# KiCad board n64adv2.kicad_pcb (continued)
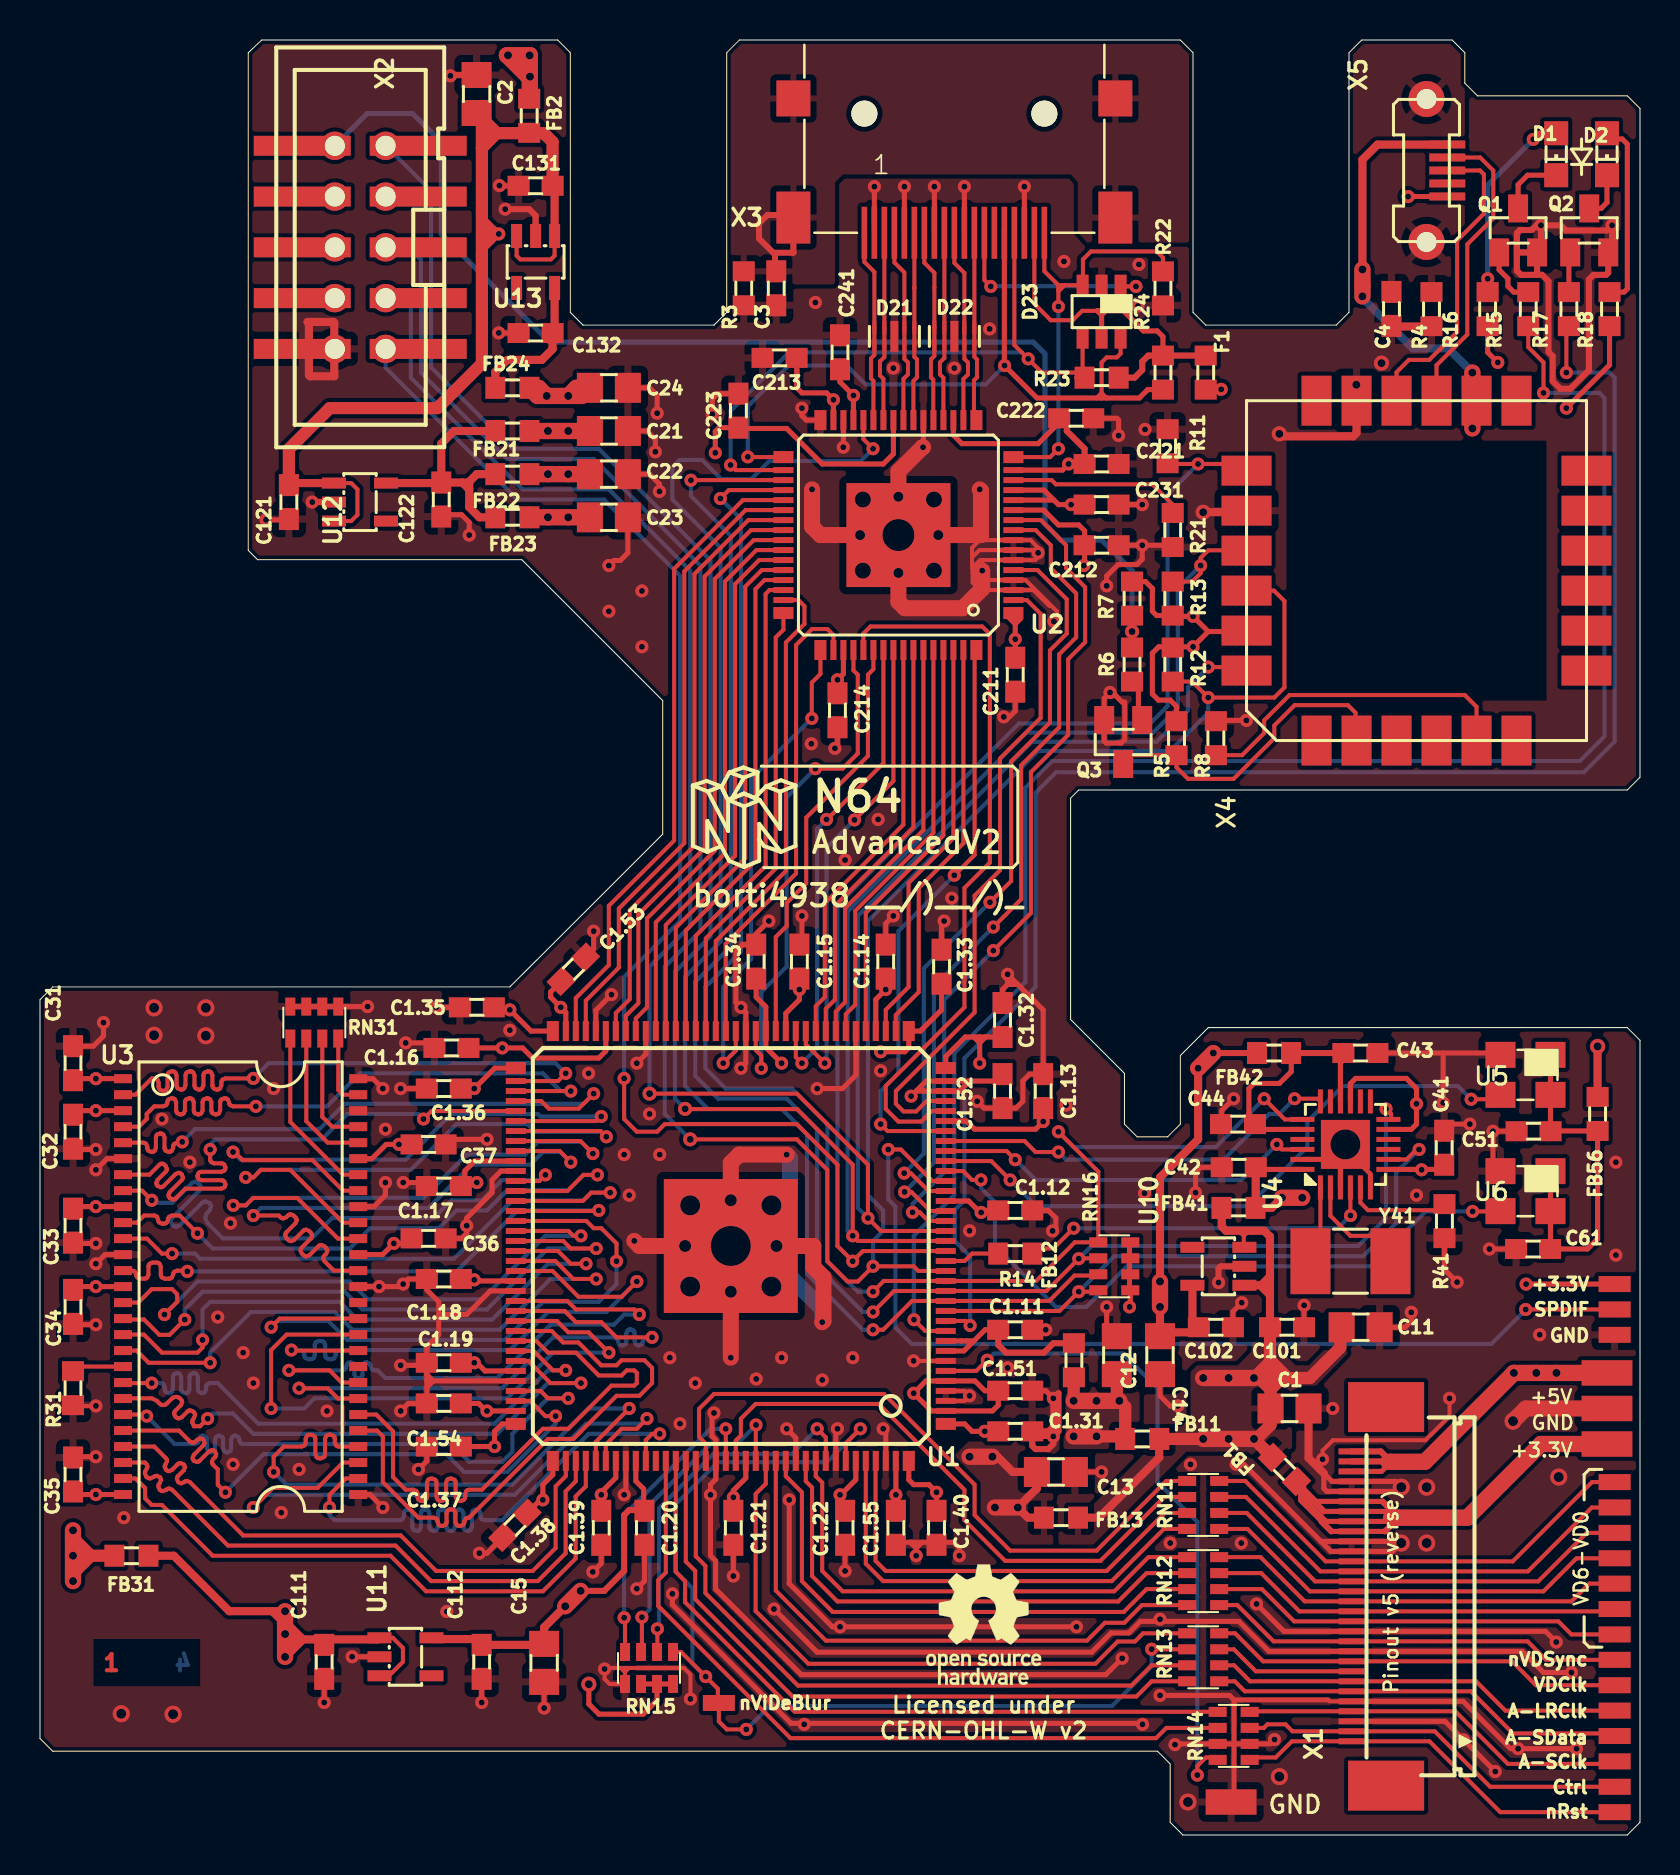
[diagram p0: board, top side]
## Routing (per net, layer and track width the routed paths; a pad name or vN(x,y) marks a point on that pad's centre or on a via; arc(x,y) is an arc through that point) (continued)
VCCIO_U4: length 12.9
  Top w0.254: 65.19,39.12 65.03,38.95 U4.P16 ; U4.P20 61.06,35.29 60.79,35.56 60.79,35.73 60.45,36.07 60.45,37.34 60.71,37.59 61.98,37.59 62.57,38.19 62.57,39.12
  Top w0.305: 62.57,39.12 65.19,39.12
VDD_U3: length 89.4
  Top w0.254: C33.1 1.61,31.37 1.61,31.43 v2(2.79,31.43) U3.9 ; U3.43 17.13,29.03 v2(17.69,29.59) 18.33,29.59 C36.1 ; C37.1 v2(17.95,34.54) 17.31,34.54 16.6,33.83 U3.49 ; U3.1 v2(2.79,37.83) 1.73,37.83 C31.1 ; U3.3 v2(2.79,36.23) 1.85,36.23 C32.1 ; C34.1 1.82,27.43 v2(2.79,27.43) U3.14 ; C35.1 1.78,17.03 v2(2.79,17.03) U3.27
  Top w0.61: 2.54,13.97 1.65,13.08 ; 2.54,13.97 1.65,14.86 ; 2.54,13.97 FB31.2 ; 2.54,13.97 v1(1.65,13.97)
  Top w0.813: v1(1.65,15.24) v1(1.65,13.97) v1(1.65,12.7)
  In2.Cu w0.305: 1.65,31.5 1.72,31.43 1.97,31.43 ; 2.03,37.85 2.78,37.85 v2(2.79,37.83) ; 2.03,37.85 1.65,37.47 ; 2.03,37.85 1.65,37.85 ; 2.03,37.85 1.65,38.23 ; 2.02,17.03 1.67,17.03 1.65,17.02 ; 2.02,17.03 2.05,17.03 ; 2.02,17.03 1.65,17.4 ; 1.97,31.43 1.97,31.31 1.65,30.99 ; 1.97,31.43 1.65,31.75 ; 1.97,31.43 v2(2.79,31.43) ; 2.03,27.43 v2(2.79,27.43) ; 2.03,27.43 1.65,27.05 ; 2.03,27.43 1.65,27.43 ; 2.03,27.43 1.65,27.81 ; 2.03,36.23 2.12,36.23 ; 2.03,36.23 1.74,36.23 1.65,36.32 ; 2.03,36.23 1.65,35.85 1.65,35.81 ; 2.12,36.23 1.65,36.7 ; 2.12,36.23 v2(2.79,36.23) ; 2.05,17.03 1.65,16.64 ; 2.05,17.03 v2(2.79,17.03) ; 16.89,34.54 16.42,34.54 ; 16.89,34.54 16.51,34.92 16.42,34.92 ; 16.89,34.54 v2(17.95,34.54) ; 16.89,34.54 16.42,34.08 16.42,30.86 v2(17.69,29.59)
  In2.Cu w0.406: 16.42,33.91 16.42,36.66 14.22,38.86 2.29,38.86 1.65,38.23 v1(1.65,15.24)
  In2.Cu w0.813: v1(1.65,15.24) v1(1.65,13.97) v1(1.65,12.7)
VDD_U4: length 30.7
  Top w0.203: 70.23,33.66 70.21,33.67
  Top w0.254: 70.23,33.69 69.83,33.29 69.11,33.29 v2(69.09,33.27) 69.07,33.29 U4.P7 ; U4.P11 68.57,35.29 68.83,35.56 v2(68.83,36.58) 68.83,37.34 68.33,37.85 65.79,37.85 65.53,37.59 U4.P15 ; U4.P24 60.9,33.29 60.79,33.4
  Top w0.406: v1(62.1,31.88) 61.6,31.37 60.79,31.37 60.79,33.4
  Top w0.813: v1(63.12,31.88) v1(62.1,31.88)
  In2.Cu w0.254: 68.07,33.27 68.58,33.27
  In2.Cu w0.305: v2(69.09,33.27) 68.58,33.27 ; 68.58,33.27 68.07,33.78 ; 68.58,33.27 68.07,32.77
  In2.Cu w0.406: v2(68.83,36.58) 68.07,35.81 68.07,32.77 67.18,31.88 v1(63.12,31.88)
  In2.Cu w0.813: v1(62.1,31.88) v1(63.12,31.88)
/n64adv2_logic/TCK: length 125.8
  Top w0.203: v2(29.21,37.85) 29.21,35.81 29.85,35.18 30.86,35.18 31.24,35.56 37.85,35.56 39.88,33.53 39.88,29.46 v2(40.64,28.7) 41.15,29.21 45.29,29.21 U1.18 ; X4.19 60,68.58 v2(57.91,68.58) 56.43,68.58 R11.1
  Bottom w0.203: X2.1 17.28,73.4 23.88,66.8 28.19,66.8 32,62.99 32,45.72 29.21,42.93 v2(29.21,37.85) ; v2(40.64,28.7) 39.88,29.46 39.88,46.52 48.96,55.6 55.51,55.6 56.39,56.48 56.39,67.06 v2(57.91,68.58)
/n64adv2_logic/TDI: length 125.7
  Top w0.203: U1.19 40.9,29.71 v2(40.64,29.97) 40.64,33.53 37.86,36.31 32.27,36.31 v10(32.26,36.32) ; X4.21 60.32,64.26 58.42,64.26 58.04,63.88 v2(58.04,63.5) 58.04,63.12 57.62,62.7 R13.1
  Bottom w0.203: v2(40.64,29.97) 40.39,30.23 40.39,46.19 49.34,55.14 55.66,55.14 56.9,56.38 56.9,62.36 v2(58.04,63.5) ; X2.9 17.29,84.5 19.56,82.23 19.56,73.41 23.62,69.34 27.94,69.34 33.53,63.75 33.53,44.96 31.75,43.18 31.75,36.83 v10(32.26,36.32)
/n64adv2_logic/TDO: length 109.9
  Top w0.203: v2(58.42,58.42) 60.16,58.42 X4.24 ; U1.20 42.05,30.21 v2(41.4,30.86) 41.4,33.53 37.85,37.08 v10(30.48,37.08)
  Bottom w0.203: v2(58.42,58.42) 57.4,57.4 57.4,56.25 55.84,54.69 49.61,54.69 40.89,45.97 40.89,31.37 v2(41.4,30.86) ; v10(30.48,37.08) 30.48,43.43 32.51,45.47 32.51,63.25 28.45,67.31 24.13,67.31 18.54,72.9 18.54,76.59 18.25,76.88 X2.3
/n64adv2_logic/TMS: length 126.9
  Top w0.203: U1.16 43.92,28.21 43.69,28.45 v2(41.66,28.45) 40.89,27.69 40.39,27.69 39.37,28.7 39.37,33.27 37.85,34.8 v10(32.51,34.8) ; X4.22 61.71,62.25 62.23,61.72 62.23,57.4 61.72,56.9 v2(58.42,56.9) 57.62,57.7 R12.1
  Bottom w0.203: v10(32.51,34.8) 31.24,36.07 31.24,43.43 33.02,45.21 33.02,63.5 27.69,68.83 23.37,68.83 19.05,73.15 19.05,78.8 18.43,79.42 X2.5 ; v2(41.66,28.45) 41.66,29.72 42.16,30.23 42.16,31.24 41.4,32 41.4,45.72 49.91,54.23 56.52,54.23 58.42,56.13 v2(58.42,56.9)
Net-(ALRCLK1-PadP$1): length 20.7
  Top w0.203: ALRCLK1.P$1 73.28,6.22 71.81,7.69 X1.7 60.51,7.69 59.71,8.49 RN13.6
Net-(ASCLK1-PadP$1): length 19.3
  Top w0.203: 60.58,6.19 X1.4 70.77,6.19 73.41,3.56 78.61,3.56 ASCLK1.P$1
Net-(ASDATA1-PadP$1): length 20.9
  Top w0.203: ASDATA1.P$1 78.61,5.08 73.66,5.08 71.55,7.19 X1.6 60.25,7.19 59.75,7.69 RN13.5
Net-(C122-Pad1): length 13.8
  Top w0.406: 21.12,67.65 21.42,67.65 ; 21.12,67.65 C122.1 ; 21.12,67.65 21.46,67.31 ; 21.42,67.65 21.84,68.07 FB22.1 ; 21.42,67.65 21.46,67.61 21.46,67.31 ; U12.5 20.04,67.62 C122.1 ; C122.1 20.07,69.6 20.7,70.23 FB21.1 ; 21.46,67.31 21.46,66.42 21.97,65.91 FB23.1
Net-(C132-Pad1): length 7.2
  Top w0.406: FB24.1 22.77,73.19 23.37,73.79 25.09,73.79 25.63,74.33 ; U13.5 25.73,75.23 C132.1 25.63,74.33
Net-(CTRL1-PadP$1): length 19.6
  Top w0.203: RN14.7 61.2,5.36 61.38,5.54 62.28,5.54 62.63,5.19 X1.2 69.74,5.19 72.52,2.41 CTRL1.P$1
Net-(D1-PadA): length 9.9
  Top w0.25: 72.39,77.84 v2(72.39,77.85)
  Top w0.254: R16.1 72.39,77.84 ; D1.A 74.98,85.12 v2(74.67,84.82)
  Bottom w0.254: v2(72.39,77.85) 72.39,82.54 v2(74.67,84.82)
Net-(D1-PadC): length 3.3
  Top w0.254: D1.C 74.39,83.02 73.91,82.55 Q1.3
Net-(D2-PadA): length 9.4
  Top w0.254: D2.A 78.65,84.84 79.12,84.84 79.38,84.58 79.38,77.34 79.21,77.18 R18.1
Net-(D2-PadC): length 2.4
  Top w0.254: D2.C 78.36,81.66 78.06,81.36 Q2.3
Net-(D21-Pad1): length 9.8
  Top w0.2: 41.22,80.27 41.22,78.69 41.72,78.19 D21.10 D21.1 41.72,74.03 41.55,73.86 41.55,72.86 41.68,72.74 U2.27
Net-(D21-Pad2): length 9.7
  Top w0.2: 42.22,80.27 D21.9 D21.2 42.22,73.93 42,73.71 42,73.01 42.18,72.84 U2.26
Net-(D21-Pad4): length 9.9
  Top w0.2: 42.72,80.27 42.72,78.66 43.22,78.16 D21.7 D21.4 43.22,73.84 43.4,73.66 43.4,73.06 43.18,72.83 U2.24
Net-(D21-Pad5): length 9.6
  Top w0.2: 43.72,80.27 43.72,77.4 43.72,77.4 43.72,77.4 D21.6 D21.5 43.72,73.94 43.85,73.81 43.85,72.91 43.68,72.73 U2.23
Net-(D22-Pad1): length 9.7
  Top w0.2: U2.17 46.7,70.9 46.7,72.76 46.85,72.91 46.85,73.81 46.72,73.94 D22.10 D22.1 46.72,80.27
Net-(D22-Pad2): length 9.9
  Top w0.2: 45.72,80.27 45.72,78.64 46.22,78.14 D22.2 D22.9 46.22,73.84 46.4,73.66 46.4,73.06 46.18,72.83 U2.18
Net-(D22-Pad4): length 9.7
  Top w0.2: 45.22,80.27 D22.4 D22.7 45.22,73.88 45,73.66 45,73.06 45.18,72.89 U2.20
Net-(D22-Pad5): length 9.6
  Top w0.2: 44.22,80.27 44.22,78.64 44.72,78.14 44.72,77.4 D22.5 D22.6 44.72,73.98 44.55,73.81 44.55,72.91 44.67,72.8 44.67,71.03
Net-(D23-Pad1): length 11
  Top w0.203: 47.22,80.27 47.22,77.78 v2(47.54,77.46) ; v2(54.8,77.46) 54.07,77.46 D23.1
  Bottom w0.203: v2(47.54,77.46) 47.55,77.47 54.8,77.47 v2(54.8,77.46)
Net-(D23-Pad3): length 21.6
  Top w0.203: v2(50.93,76.45) 50.92,76.46 50.92,77.26 ; 50.92,77.52 50.92,77.26 ; 50.92,77.52 50.22,78.22 50.22,80.27 ; 50.92,77.52 51.23,77.52 ; v2(50.93,69.34) 50.51,68.92 U2.16 ; R22.2 56.15,78.91 55.85,79.21 52.55,79.21 52.15,78.81 52.15,77.52 D23.3 52.11,77.52 51.23,77.52 ; 50.92,77.26 50.97,77.26 51.23,77.52
  Bottom w0.203: v2(50.93,76.45) v2(50.93,69.34)
Net-(D23-Pad4): length 33.9
  Top w0.203: 52.07,73.15 52.14,73.22 D23.4 ; 52.07,73.15 50.1,73.15 v2(49.42,73.84) 48.72,74.53 48.72,80.27 ; 52.07,73.15 51.82,72.9 R23.2 ; v2(34.53,68.53) 34.79,68.27 U2.34
  Bottom w0.203: v2(34.53,68.53) 34.53,71.23 37.46,74.17 49.09,74.17 v2(49.42,73.84)
Net-(D23-Pad6): length 38.7
  Top w0.203: v2(35.39,68.94) 35.41,68.92 U2.33 ; 53.09,72.14 53.09,71.88 ; 53.09,72.14 53.09,73.66 53.34,73.91 53.85,73.91 54.04,74.1 D23.6 ; 53.09,72.14 52.83,71.88 ; 53.09,72.14 53.34,71.88
  Top w0.254: 48.22,80.27 48.22,73.51 v2(48.23,73.5) 49.85,71.88 54.97,71.88 55.39,72.3 R24.2
  Bottom w0.203: v2(35.39,68.94) 35.39,71.46 37.43,73.5 40.34,73.5 41.28,72.56 47.29,72.56 v2(48.23,73.5)
Net-(Q1-Pad1): length 3
  Top w0.254: Q1.1 72.96,78.29 73.41,77.85 73.41,77.47 73.7,77.18 R15.1
Net-(Q2-Pad1): length 2
  Top w0.254: Q2.1 76.45,79.1 R17.1
Net-(Q3-Pad1): length 2.1
  Top w0.254: Q3.1 54.93,55.96 54.93,57.38 R6.2
Net-(Q3-Pad3): length 16.9
  Top w0.203: Q3.3 54.61,54.01 R5.1 56.83,53.4 57.4,52.83 59.69,52.83 61.72,54.86 61.72,55.5 62.74,56.52 65.41,56.52 65.79,56.13 65.79,54.36 65.83,54.4 X4.2
Net-(R6-Pad1): length 62.3
  Top w0.254: R7.1 v10(54.61,60.2) R6.1
  Bottom w0.254: v10(54.61,60.2) 54.61,63.25 53.09,64.77 51.05,64.77 50.25,65.57 50.25,74.09 49.67,74.68 25.47,74.68 20.07,80.08 20.07,84.67 18.63,86.11 16.35,86.11 X2.10
Net-(R8-Pad2): length 16.6
  Top w0.203: R8.2 60.11,54.01 61.21,55.12 61.21,55.75 62.48,57.02 71.25,57.02 71.83,56.44 X4.5
Net-(R14-Pad1): length 18.1
  Top w0.203: U4.P4 65.53,30.99 v2(65.53,30.99) ; R14.1 49.87,29.34 50.67,29.34 v2(51.69,30.35)
  Bottom w0.203: v2(65.53,30.99) 64.9,30.35 v2(51.69,30.35)
Net-(R14-Pad2): length 2.8
  Top w0.203: U1.17 46.24,28.71 46.61,29.08 R14.2
Net-(R15-Pad2): length 84.5
  Top w0.203: v2(43.7,25.78) 44.26,25.21 U1.10 ; v2(75.18,72.14) 75.18,73.66 74.42,74.42 R15.2
  Bottom w0.203: v2(43.7,25.78) 43.69,25.79 43.69,29.98 45.72,32 45.72,39.12 49.28,42.67 49.28,52.39 50.61,53.72 77,53.72 78.23,54.95 78.23,71.88 77.98,72.14 v2(75.18,72.14)
Net-(R17-Pad2): length 83.1
  Top w0.203: v2(46.51,25.49) 46.29,25.71 U1.11 ; R17.2 76.33,75.35 v2(76.33,73.15)
  Bottom w0.203: v2(46.51,25.49) 46.51,28.95 45.75,29.71 45.75,31.27 46.23,31.75 46.23,38.86 49.78,42.42 49.78,52.13 50.81,53.16 77.2,53.16 78.74,54.7 78.74,72.9 78.49,73.15 v2(76.33,73.15)
Net-(R21-Pad2): length 8.9
  Top w0.203: U2.14 50.59,67.77 50.8,67.56 55.63,67.56 56.64,66.55 R21.2
Net-(R31-Pad1): length 2.6
  Top w0.203: R31.1 1.88,23.43 U3.19
Net-(R41-Pad1): length 5.1
  Top w0.203: U4.P5 66.03,31.64 66.41,31.25 70.23,31.25
Net-(RN11-Pad1): length 33
  Top w0.203: RN11.1 56.32,17.71 52.83,14.22 48.51,14.22 46.74,16 46.74,17.53 42.2,22.06 33.7,22.06 32.95,21.31 32.95,19.91 33.29,19.57 U1.124
Net-(RN11-Pad2): length 30.3
  Top w0.203: RN11.2 56.22,16.91 53.03,13.72 48.26,13.72 46.23,15.75 46.23,17.27 41.94,21.56 35.79,21.56 35.05,20.82 35.05,19.98 34.79,19.73 U1.127
Net-(RN11-Pad3): length 22
  Top w0.203: RN11.3 56.24,16.11 53.34,13.21 42.29,13.21 41.78,13.72 41.78,18.7 U1.141
Net-(RN11-Pad4): length 22.7
  Top w0.203: RN11.4 56.2,15.31 53.59,12.7 42.16,12.7 41.29,13.57 U1.140
Net-(RN11-Pad5): length 21.8
  Top w0.203: VD3.P$1 76.83,13.84 75.18,12.19 X1.16 63.5,12.19 60.38,15.31 RN11.5
Net-(RN11-Pad6): length 22.2
  Top w0.203: RN11.6 60.34,16.11 63.77,12.69 X1.17 74.92,12.69 77.34,15.11 VD2.P$1
Net-(RN11-Pad7): length 22.6
  Top w0.203: RN11.7 60.31,16.91 64.03,13.19 X1.18 74.4,13.19 77.6,16.38 VD1.P$1
Net-(RN11-Pad8): length 23.1
  Top w0.203: RN11.8 60.27,17.71 64.29,13.69 X1.19 73.64,13.69 77.61,17.65 VD0.P$1
Net-(RN12-Pad1): length 25
  Top w0.203: U1.135 38.79,17.95 39.12,17.63 39.12,13.21 40.13,12.19 53.72,12.19 55.43,13.9 RN12.1
Net-(RN12-Pad2): length 25.8
  Top w0.203: RN12.2 55.33,13.1 53.92,11.68 39.88,11.68 38.61,12.95 38.61,17.38 38.29,17.7 U1.134
Net-(RN12-Pad3): length 26.7
  Top w0.203: U1.132 37.29,17.95 38.1,17.15 38.1,12.7 39.64,11.16 54.19,11.16 55.33,12.3 RN12.3
Net-(RN12-Pad4): length 28.8
  Top w0.203: U1.131 36.79,12.23 39.3,9.72 52.36,9.72 53.25,10.62 54.22,10.62 55.1,11.5 RN12.4
Net-(RN12-Pad5): length 20.9
  Top w0.203: RN12.5 59.87,11.5 61.69,9.69 X1.11 74.39,9.69 75.31,8.76 nVDS1.P$1
Net-(RN12-Pad6): length 20.7
  Top w0.203: VD6.P$1 76.58,10.03 75.93,10.69 X1.13 62.72,10.69 61.11,12.3 RN12.6
Net-(RN12-Pad7): length 20.6
  Top w0.203: RN12.7 61.07,13.1 62.98,11.19 X1.14 78.63,11.19 VD5.P$1
Net-(RN12-Pad8): length 21.1
  Top w0.203: VD4.P$1 77.47,12.57 76.58,11.69 X1.15 63.24,11.69 61.03,13.9 RN12.8
Net-(RN13-Pad1): length 31
  Top w0.203: U1.130 36.29,17.57 35.79,17.06 35.79,11.2 38.42,8.57 52.77,8.57 53.89,9.68 54.75,9.68 55.16,10.09 RN13.1
Net-(RN13-Pad2): length 52.1
  Top w0.203: v2(55.59,9.3) 55.59,9.29 RN13.2 ; U1.138 40.29,19.59 v2(41.02,20.32) ; v2(35.32,5.28) 34.35,5.28 33.95,5.68 nViDeBlur1.P$1 ; 33.9,6.88 33.9,7.32 v2(33.29,7.92) 32.05,9.16 RN15.1
  Bottom w0.203: v2(35.32,5.28) 35.33,5.28 36.49,6.45 53.61,6.45 55.59,8.43 v2(55.59,9.3) ; v2(33.29,7.92) 32.63,8.59 32.63,12.33 31.75,13.21 31.75,16.51 33.89,18.65 39.35,18.65 v2(41.02,20.32)
Net-(RN13-Pad3): length 33.2
  Top w0.203: RN13.3 55.59,8.49 54.57,7.47 37.9,7.47 33.27,12.1 33.27,13.46 32.79,13.94 U1.123
Net-(RN13-Pad4): length 34
  Top w0.203: RN13.4 55.59,7.69 54.83,6.93 37.64,6.93 32.77,11.8 32.77,13.21 32.29,13.68 U1.122
Net-(RN13-Pad7): length 7.1
  Top w0.203: X1.8 60.8,8.19 59.7,9.29 RN13.7
Net-(RN13-Pad8): length 20.8
  Top w0.203: RN13.8 59.76,10.09 61.16,8.69 X1.9 73.61,8.69 74.8,7.49 VDCLK1.P$1
Net-(RN14-Pad1): length 36.2
  Top w0.203: U1.121 31.79,13.16 32.26,12.7 32.26,11.65 37.74,6.17 58.88,6.17 RN14.1
Net-(RN14-Pad2): length 38.3
  Top w0.203: RN14.2 56.32,5.36 55.81,4.84 37.53,4.84 30.91,11.46 30.91,12.75 31.29,13.13 U1.120
Net-(RN14-Pad4): length 33.5
  Top w0.203: U1.6 46.82,23.21 47.33,23.72 47.37,23.72 v2(47.37,23.75) ; 58.89,3.88 58.3,3.88 57.87,3.45 v2(57.87,3)
  Bottom w0.203: v2(57.87,3) 57.87,15.66 55.88,17.65 55.88,22.35 54.15,24.09 47.71,24.09 v2(47.37,23.75)
Net-(RN14-Pad5): length 20.1
  Top w0.203: nRST1.P$1 73.02,1.14 69.48,4.69 X1.1 62.6,4.69 61.79,3.88 60.49,3.88
Net-(RN15-Pad2): length 18.6
  Top w0.203: v2(38.86,20.32) 39.29,19.89 U1.136 ; v2(30.87,10.31) 30.87,9.18 RN15.2
  Bottom w0.203: v2(30.87,10.31) 30.95,10.39 30.95,16.35 33.66,19.05 37.59,19.05 v2(38.86,20.32)
Net-(RN15-Pad3): length 16.3
  Top w0.203: U1.129 35.79,20.5 v2(35.8,20.51) ; 30.07,9.18 RN15.3 30.1,9.2 v2(30.1,10.9)
  Bottom w0.203: v2(35.8,20.51) 34.85,19.56 33.53,19.56 30.48,16.51 30.48,11.28 v2(30.1,10.9)
Net-(RN15-Pad4): length 15.3
  Top w0.203: v2(29.21,10.87) 29.25,10.83 RN15.4 ; U1.126 34.29,20.32 v2(34.29,20.32)
  Bottom w0.203: v2(34.29,20.32) 33.53,20.32 29.21,16 v2(29.21,10.87)
Net-(RN16-Pad1): length 82.6
  Top w0.203: v2(50.93,35.18) 52.92,33.19 RN16.1 51.75,29.65 49.81,27.71 U1.15 42.19,27.71 v2(41.66,27.18) ; v2(34.02,66.85) 34.44,67.27 U2.36 ; U4.P19 62.25,35.79 v2(61.21,36.83)
  Bottom w0.203: v2(61.21,36.83) 58.8,34.42 51.69,34.42 v2(50.93,35.18) ; v2(34.02,66.85) 35.05,65.82 35.05,44.2 33.27,42.42 33.27,38.35 34.29,37.34 37.59,37.34 39.37,35.56 39.37,28.7 40.89,27.18 v2(41.66,27.18)
Net-(RN16-Pad2): length 88.7
  Top w0.203: v2(41.66,26.16) 42.71,27.21 U1.14 50.33,27.21 v2(51.94,28.83) 51.96,28.85 RN16.2 ; U4.P12 67.56,35.79 67.56,36.07 v2(67.31,36.32) ; 32.51,67.81 v2(32.55,67.77) 32.56,67.77 U2.35
  Bottom w0.203: v2(32.55,67.77) 32.55,66.97 34.54,64.98 34.54,44.45 32.77,42.67 32.77,37.97 33.91,36.83 37.34,36.83 38.86,35.31 38.86,28.45 41.15,26.16 v2(41.66,26.16) ; v2(51.94,28.83) 52.58,29.46 65.91,29.46 67.31,30.86 v2(67.31,36.32)
Net-(RN16-Pad3): length 76.5
  Top w0.203: RN16.3 52.86,27.98 51.73,27.98 50.46,26.71 U1.13 43.61,26.71 42.16,25.27 v2(41.66,25.27) ; U2.28 41.18,69.82 v2(41.66,69.34)
  Bottom w0.203: v2(41.66,25.27) 41.15,25.27 38.35,28.07 38.35,35.05 37.08,36.32 33.4,36.32 32.26,37.47 32.26,42.93 34.04,44.7 34.04,64.39 31.62,66.8 31.62,68.43 31.97,68.78 33.11,68.78 34.07,67.82 35.56,67.82 36.47,68.73 41.05,68.73 v2(41.66,69.34)
Net-(RN16-Pad4): length 31.2
  Top w0.203: RN16.4 52.85,27.18 v2(51.94,27.18) 50.98,26.21 U1.12 ; v2(68.96,34.29) 68.83,34.29 68.34,33.79 U4.P8
  Bottom w0.203: v2(68.96,34.29) 67.82,33.15 67.82,30.61 66.17,28.96 53.72,28.96 v2(51.94,27.18)
Net-(RN31-Pad1): length 8.7
  Top w0.203: U3.48 15.15,33.03 12.52,35.67 RN31.1
Net-(RN31-Pad2): length 7.2
  Top w0.203: U3.50 14.39,34.63 13.32,35.71 RN31.2
Net-(RN31-Pad3): length 5.9
  Top w0.203: RN31.3 14.12,35.92 14.61,35.43 U3.51
Net-(RN31-Pad4): length 3.7
  Top w0.203: RN31.4 14.92,37.27 15.15,37.03 U3.53
Net-(SPDIF1-PadP$1): length 49.6
  Top w0.203: U1.25 44.63,32.71 43.05,34.29 v2(42.42,34.29) ; SPDIF1.P$1 74.3,26.29 v2(74.29,26.29)
  Bottom w0.203: v2(42.42,34.29) 42.42,31.79 42.77,31.44 42.77,25.39 43.59,24.57 72.58,24.57 74.31,26.3
Net-(U1-Pad21): length 42.3
  Top w0.203: v2(43.63,31.15) 43.99,31.15 44.43,30.71 U1.21 ; v2(47.67,44.24) 49.55,46.12 49.55,53.17 51.41,55.03 51.41,58.82 52.26,59.67 52.26,62.42 51.31,63.37 51.31,64.52 50.05,65.77 U2.10
  Bottom w0.203: v2(43.63,31.15) 43.63,31.57 45.21,33.15 45.21,41.78 v2(47.67,44.24)
Net-(U1-Pad22): length 41.1
  Top w0.203: v2(47.67,45.42) 49.06,46.81 49.06,53.51 50.96,55.41 50.96,59.06 51.81,59.91 51.81,62.11 50.55,63.37 50.55,64.52 49.79,65.27 U2.9 ; U1.22 44.53,31.21 43.57,32.17 v2(43.23,32.17)
  Bottom w0.203: v2(43.23,32.17) 44.7,33.64 44.7,42.45 v2(47.67,45.42)
Net-(U1-Pad24): length 37.8
  Top w0.203: U2.5 49.88,63.27 51.34,61.81 51.34,60.1 50.5,59.26 50.5,55.65 48.56,53.71 48.56,47.72 v2(47.5,46.66) ; U1.24 44.44,32.21 43.54,33.11 v2(43.21,33.11)
  Bottom w0.203: v2(47.5,46.66) 44.2,43.35 44.2,34.09 v2(43.21,33.11)
Net-(U1-Pad26): length 34.1
  Top w0.203: v2(47.05,32.77) 46.61,32.77 46.16,33.21 U1.26 ; U6.3 73.02,31.19 v2(71.64,31.19)
  Bottom w0.203: v2(71.64,31.19) 69.29,31.19 66.55,28.45 54.36,28.45 52.32,26.42 50.8,26.42 47.75,29.46 47.75,31.66 47.05,32.36 v2(47.05,32.77)
Net-(U1-Pad27): length 32.3
  Top w0.203: v2(48.51,32.77) 47.57,33.71 U1.27 ; U5.3 72.81,36.8 v2(71.56,36.8)
  Bottom w0.203: v2(71.56,36.8) 70.9,37.47 65.15,37.47 63.37,35.69 63.37,34.42 60.41,31.46 49.82,31.46 v2(48.51,32.77)
Net-(U1-Pad28): length 19.3
  Top w0.203: U1.28 48.34,34.21 v2(48.77,33.78) ; v2(61.85,34.54) 62.1,34.29 U4.P22
  Bottom w0.203: v2(48.77,33.78) 49.78,32.77 60.07,32.77 v2(61.85,34.54)
Net-(U1-Pad29): length 20.4
  Top w0.203: v2(50.93,34.16) 49.78,34.16 49.23,34.71 U1.29 ; v2(62.74,36.83) 63.89,36.83 U4.P18
  Bottom w0.203: v2(62.74,36.83) 61.98,36.07 61.47,36.07 59.18,33.78 51.31,33.78 v2(50.93,34.16)
Net-(U1-Pad30): length 29.1
  Top w0.203: U1.30 42.38,35.21 v2(42.04,35.56) ; U2.64 46.74,59.18 46.74,49.02 v2(45.72,48.01)
  Bottom w0.203: v2(45.72,48.01) 42.93,45.21 42.93,38.1 42.04,37.21 v2(42.04,35.56)
Net-(U1-Pad32): length 36.8
  Top w0.203: U2.53 41.18,60.1 41.53,60.45 47.12,60.45 47.5,60.07 47.5,48.64 46.23,47.37 46.23,41.4 42.29,37.47 42.29,36.32 42.93,35.69 44.07,35.69 44.6,36.21 U1.32
Net-(U1-Pad33): length 32
  Top w0.203: U1.33 44.33,36.71 43.82,36.2 43.18,36.2 42.8,36.58 42.8,37.21 46.74,41.15 46.74,46.99 48.01,48.26 48.01,53.85 50.04,55.88 50.04,61.09 49.35,61.77 U2.2
Net-(U1-Pad38): length 20.5
  Top w0.203: U2.63 46.18,49.61 43.94,47.37 43.94,42.16 42.79,41.02 U1.38
Net-(U1-Pad39): length 20.5
  Top w0.203: U2.62 45.68,49.87 43.43,47.62 43.43,42.42 42.29,41.28 U1.39
Net-(U1-Pad41): length 20.7
  Top w0.203: U1.41 41.29,46.12 45.18,50 U2.61
Net-(U1-Pad43): length 20.9
  Top w0.203: U1.43 40.29,41.06 40.77,41.53 40.77,46.23 44.68,50.14 U2.60
Net-(U1-Pad44): length 20.9
  Top w0.203: U2.59 44.18,50.27 40.26,46.36 40.26,41.66 39.79,41.19 U1.44
Net-(U1-Pad45): length 20.9
  Top w0.203: U2.58 43.68,50.41 39.75,46.48 39.75,41.78 39.29,41.33 U1.45
Net-(U1-Pad46): length 20.9
  Top w0.203: U1.46 38.79,41.46 39.24,41.91 39.24,46.61 43.18,50.54 U2.57
Net-(U1-Pad47): length 24.1
  Top w0.203: U1.47 38.29,39.56 v2(39.24,38.61) ; U2.56 42.68,52.72 v2(40.73,50.77)
  Bottom w0.203: v2(40.73,50.77) 39.33,49.38 39.33,38.7 v2(39.24,38.61)
Net-(U1-Pad48): length 24.1
  Top w0.203: v2(39.33,50.8) 39.36,50.8 42.18,53.62 U2.55 ; v2(38.1,38.61) 37.79,38.91 U1.48
  Bottom w0.203: v2(39.33,50.8) 38.86,50.33 38.86,39.37 v2(38.1,38.61)
Net-(U1-Pad50): length 21.1
  Top w0.203: U2.54 41.68,58.31 41.4,58.04 41.4,53.98 38.32,50.89 38.32,47.6 37.34,46.62 37.34,45.47 36.79,44.92 U1.50
Net-(U1-Pad52): length 25.8
  Top w0.203: v2(38.77,53.34) 40.13,53.34 40.89,54.1 40.89,58.04 40.68,58.26 U2.52 ; v2(36.07,38.35) 36.07,38.99 35.79,39.26 U1.52
  Bottom w0.203: v2(38.77,53.34) 37.34,51.9 37.34,43.43 36.07,42.16 v2(36.07,38.35)
Net-(U1-Pad54): length 24.6
  Top w0.203: v2(34.16,38.61) 34.79,39.24 U1.54 ; U2.49 39.03,58.08 38.6,57.65 v2(38.6,55.85)
  Bottom w0.203: v2(38.6,55.85) 38.58,55.85 35.56,52.83 35.56,43.81 34.16,42.42 v2(34.16,38.61)
Net-(U1-Pad55): length 23.8
  Top w0.203: U1.55 34.29,40.22 34.29,44.58 37.81,48.09 37.81,59.52 38.61,60.33 39.37,60.33 39.68,60.02 U2.50
Net-(U1-Pad56): length 24.3
  Top w0.203: U1.56 33.79,44.72 37.3,48.22 37.3,59.65 38.23,60.58 38.23,61.47 37.92,61.77 U2.47
Net-(U1-Pad57): length 22.5
  Top w0.203: U1.57 33.29,44.85 36.79,48.35 36.79,59.91 37.18,60.29 U2.48
Net-(U1-Pad58): length 24.3
  Top w0.203: U1.58 32.79,44.99 36.28,48.48 36.28,62.08 36.48,62.27 U2.46
Net-(U1-Pad59): length 25.1
  Top w0.203: U1.59 32.29,45.25 35.78,48.73 35.78,62.32 36.23,62.77 U2.45
Net-(U1-Pad60): length 25.9
  Top w0.203: U1.60 31.79,45.38 35.27,48.86 35.27,62.45 36.1,63.27 U2.44